# Altium PCB PCB SOM AM625.PcbDoc (part 1 of 6) (continued)
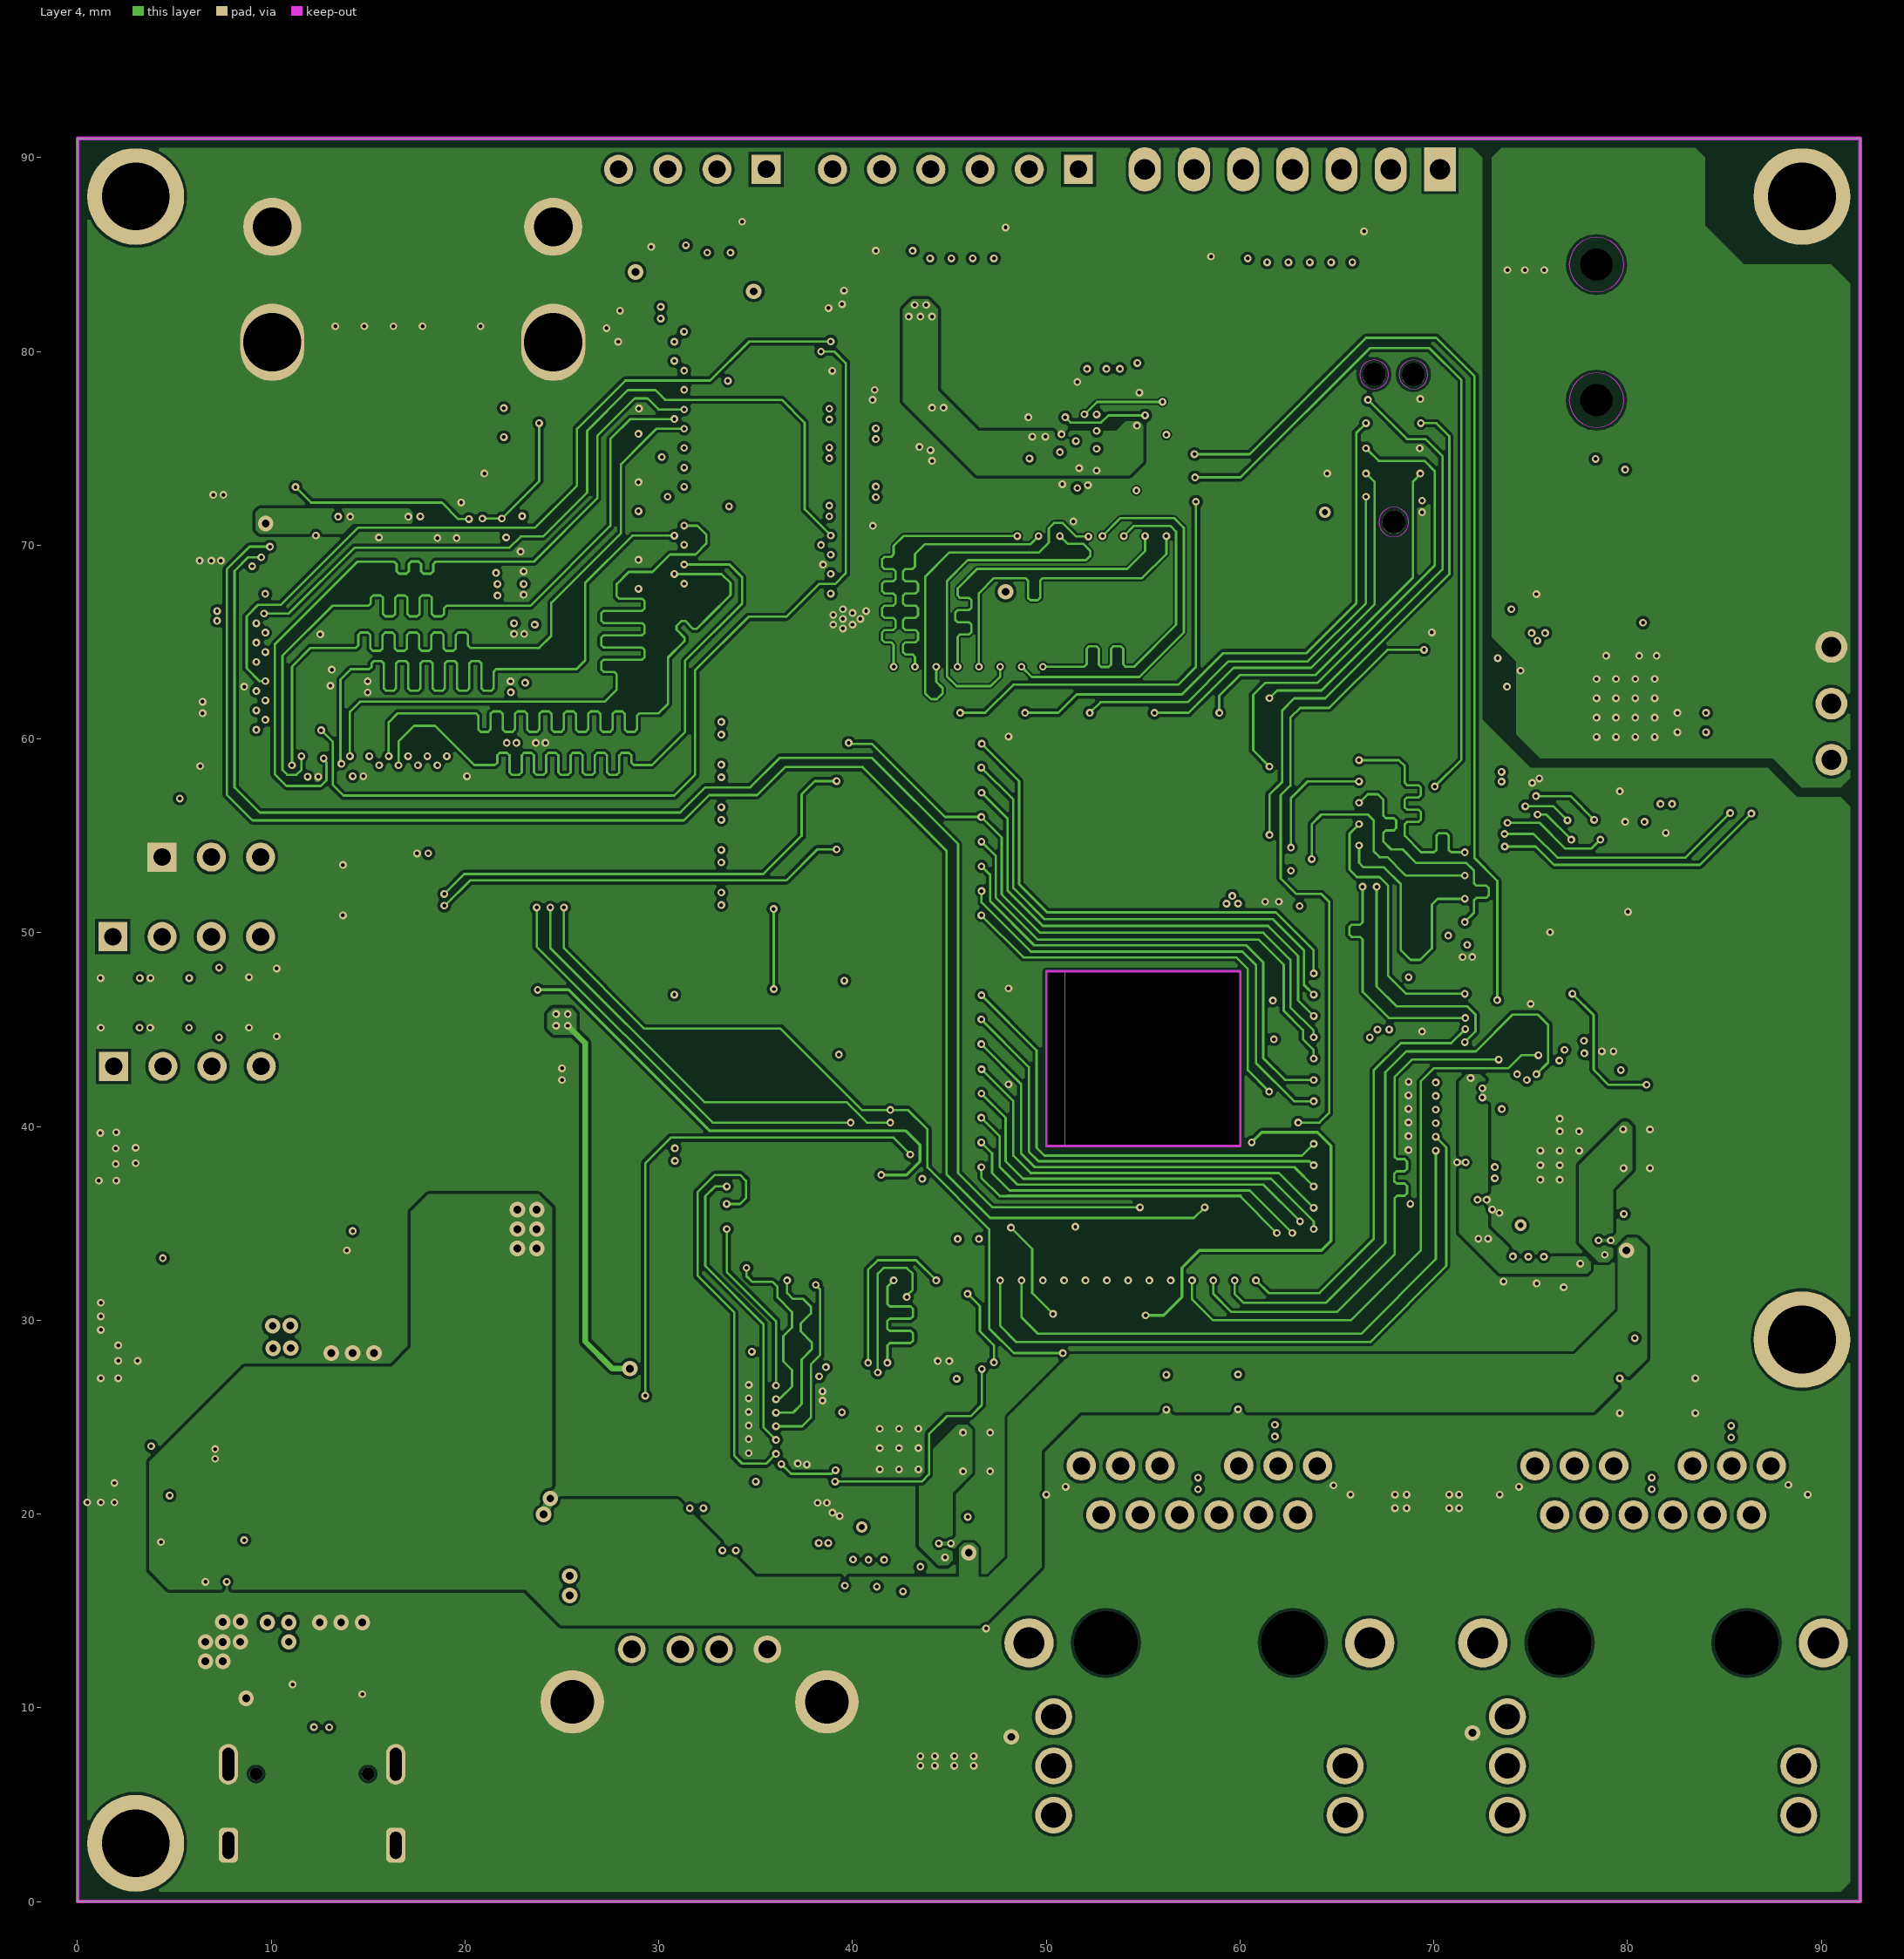
[diagram p4: Layer 4]
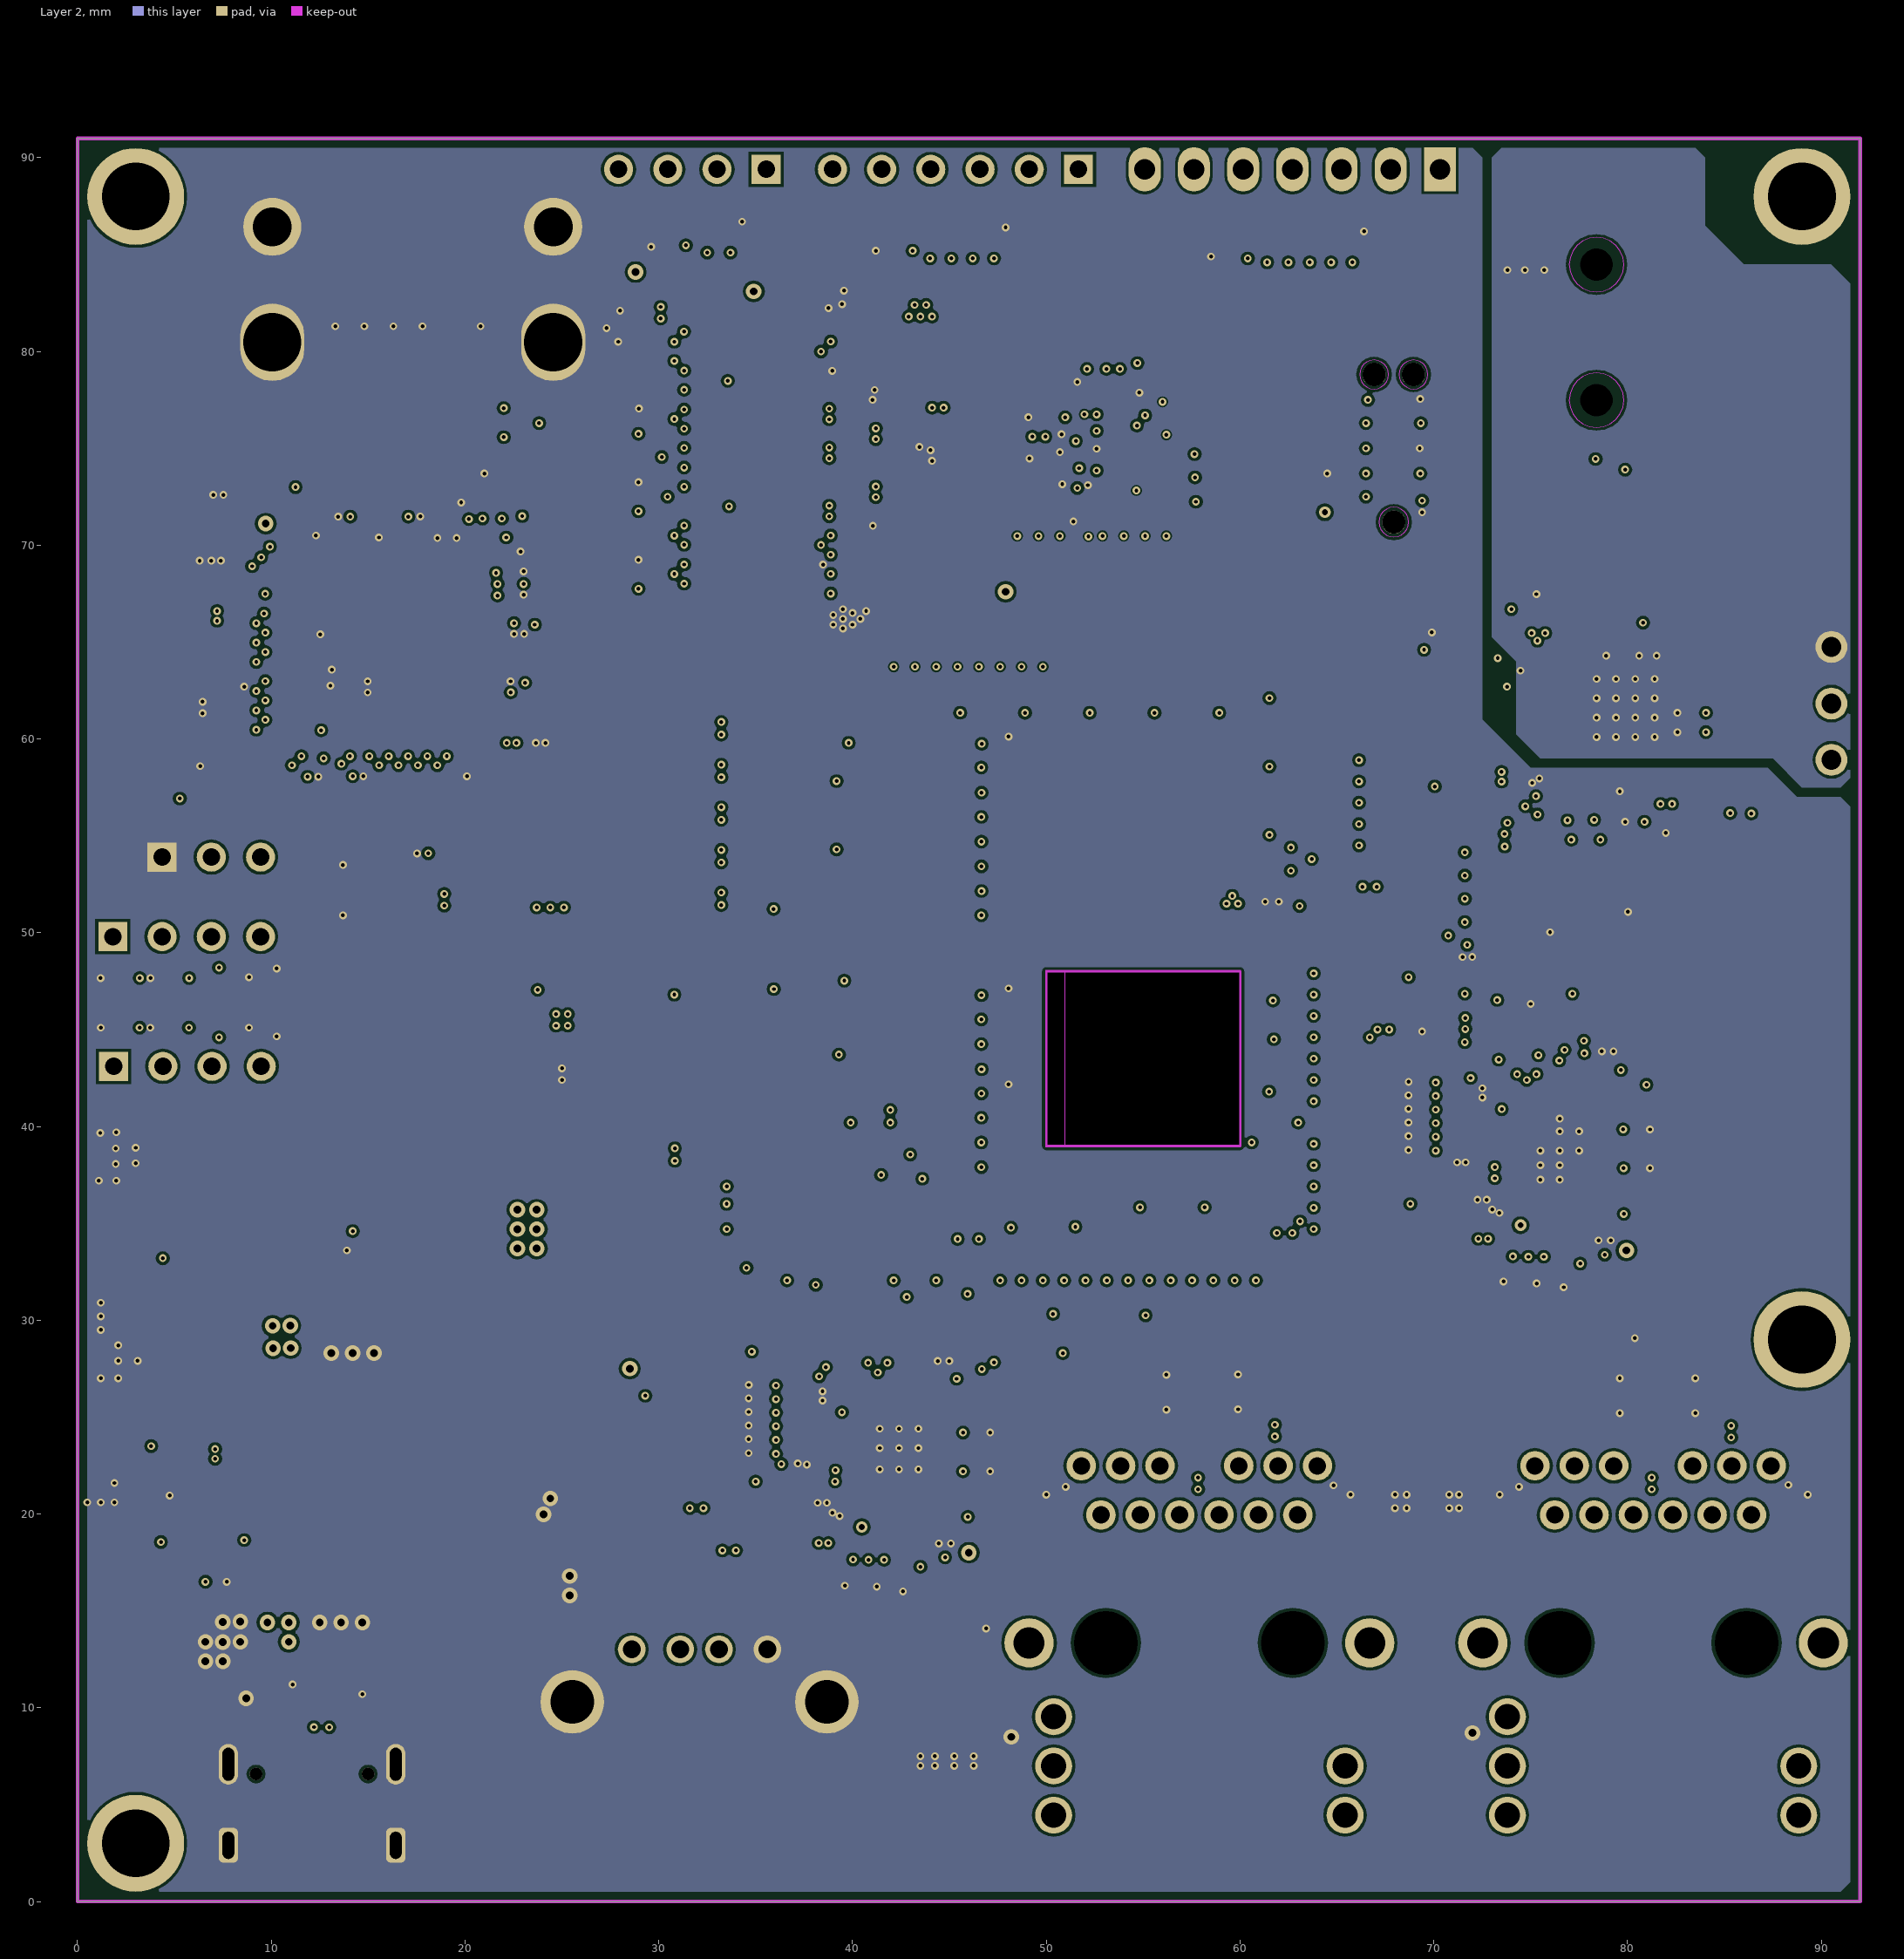
[diagram p5: Layer 2]

## Layer stack, top to bottom
Top Solder: solder mask 0.02, Solder Resist, Dk 3.5
Top Layer: signal copper 0.04
Dielectric 2: prepreg 0.071, PP-006, Dk 4.2
Layer 1: signal copper 0.03
Dielectric 4: prepreg 0.1, PP-006, Dk 4.2
Layer 3: signal copper 0.03
Dielectric 6: core 0.109, Core-009, Dk 4.5
Dielectric 1: dielectric 0.8, FR-4, Dk 4.8
Dielectric 7: core 0.109, Core-009, Dk 4.5
Layer 4: signal copper 0.03
Dielectric 5: prepreg 0.1, PP-006, Dk 4.2
Layer 2: signal copper 0.03
Dielectric 3: prepreg 0.071, PP-006, Dk 4.2
Bottom Layer: signal copper 0.04
Bottom Solder: solder mask 0.02, Solder Resist, Dk 3.5

## Board outline
0,0 0,91 92,91 92,0
cut-out: 49.95,39 ccw(c50,39) 50,38.95 60,38.95 ccw(c60,39) 60.05,39 60.05,48 ccw(c60,48) 60,48.05 50,48.05 ccw(c50,48) 49.95,48
cut-out: 50.95,39 ccw(c51,39) 51,38.95 60,38.95 ccw(c60,39) 60.05,39 60.05,48 ccw(c60,48) 60,48.05 51,48.05 ccw(c51,48) 50.95,48

## Design rules (kind name [scope] priority, off if disabled: settings)
Clearance Clearance_eMMC [InNetClass('eMMC')        or InNet('VDDI')] p1: gap=0.08 ignorepadtopadclearanceinfootprint=TRUE
Clearance [All] p2: gap=0.15 ignorepadtopadclearanceinfootprint=TRUE
DiffPairsRouting Diffpair_DIFF100DiffPairsRouting [InDifferentialPairClass('DIFF100')] p1: maxlimit=0.203 minlimit=0.17 mostfreqgap=0.203 toplayer_maxgap=0.17 toplayer_prefgap=0.17 toplayer_minwidth=0.084 toplayer_maxwidth=0.084 toplayer_prefwidth=0.084 midlayer1_mingap=0.203 midlayer1_minwidth=0.084 midlayer1_maxwidth=0.084 midlayer1_prefwidth=0.084 midlayer2_mingap=0.203 midlayer2_minwidth=0.084 midlayer2_maxwidth=0.084 midlayer2_prefwidth=0.084 midlayer3_minwidth=0.381 midlayer3_maxwidth=0.381 midlayer3_prefwidth=0.381 midlayer4_minwidth=0.381 midlayer4_maxwidth=0.381 midlayer4_prefwidth=0.381 bottomlayer_maxgap=0.17 bottomlayer_prefgap=0.17 bottomlayer_minwidth=0.084 bottomlayer_maxwidth=0.084 bottomlayer_prefwidth=0.084 maxuncoupledlength=12.7
DiffPairsRouting Diffpair_DIFF90DiffPairsRouting [InDifferentialPairClass('DIFF90')] p2: maxlimit=0.17 minlimit=0.117 mostfreqgap=0.17 toplayer_mingap=0.17 toplayer_minwidth=0.109 toplayer_maxwidth=0.109 toplayer_prefwidth=0.109 midlayer1_maxgap=0.117 midlayer1_prefgap=0.117 midlayer1_minwidth=0.086 midlayer1_maxwidth=0.086 midlayer1_prefwidth=0.086 midlayer2_maxgap=0.117 midlayer2_prefgap=0.117 midlayer2_minwidth=0.086 midlayer2_maxwidth=0.086 midlayer2_prefwidth=0.086 midlayer3_minwidth=0.381 midlayer3_maxwidth=0.381 midlayer3_prefwidth=0.381 midlayer4_minwidth=0.381 midlayer4_maxwidth=0.381 midlayer4_prefwidth=0.381 bottomlayer_mingap=0.17 bottomlayer_minwidth=0.109 bottomlayer_maxwidth=0.109 bottomlayer_prefwidth=0.109 maxuncoupledlength=12.7
DiffPairsRouting [All] p3: maxlimit=0.254 minlimit=0.254 mostfreqgap=0.254 toplayer_minwidth=0.381 toplayer_maxwidth=0.381 toplayer_prefwidth=0.381 midlayer1_minwidth=0.381 midlayer1_maxwidth=0.381 midlayer1_prefwidth=0.381 midlayer2_minwidth=0.381 midlayer2_maxwidth=0.381 midlayer2_prefwidth=0.381 midlayer3_minwidth=0.381 midlayer3_maxwidth=0.381 midlayer3_prefwidth=0.381 midlayer4_minwidth=0.381 midlayer4_maxwidth=0.381 midlayer4_prefwidth=0.381 bottomlayer_minwidth=0.381 bottomlayer_maxwidth=0.381 bottomlayer_prefwidth=0.381 maxuncoupledlength=12.7
Height [All] p1: minheight=0 maxheight=100 prefheight=12.7
HoleSize [All] p1: absolutevalues=TRUE maxlimit=5 minlimit=0.025 maxpercent=80.000 minpercent=20.000
HoleToHoleClearance [All] p1: gap=0.1 allowstackedmicrovias=TRUE
MinimumSolderMaskSliver [All] p1: minsoldermaskwidth=0
PlaneConnect [All] p1: planeconnectstyle=Direct reliefexpansion=0.508 reliefentries=4 reliefconductorwidth=0.254 reliefairgap=0.254
PolygonConnect [All] p1: connectstyle=Direct reliefconductorwidth=0.254 reliefentries=4 polygonreliefangle="90 Angle" airgapwidth=0.254
RoutingVias [All] p1: holewidth=0.2 width=0.4 viastyle="Through Hole" minholewidth=0.2 minwidth=0.4 maxholewidth=0.4 maxwidth=0.8
SilkToSilkClearance [All] p1: silktosilkclearance=0
SilkToSolderMaskClearance [IsPad] p1: minsilkscreentomaskgap=0 clearancetoexposedcopper=TRUE
SolderMaskExpansion [All] p1: expansion=0.102 istentingtop=FALSE
Width DiffPair_DIFF100Width [InNetClass('DIFF100')] p1: maxlimit=0.254 minlimit=0.084 preferedwidth=0.084 toplayer_maxwidth=0.084 midlayer1_maxwidth=0.084 midlayer2_maxwidth=0.084 midlayer3_minwidth=0.254 midlayer3_prefwidth=0.254 midlayer4_minwidth=0.254 midlayer4_prefwidth=0.254 bottomlayer_maxwidth=0.084 minimp=50.000000 maximp=50.000000 favimp=50.000000
Width DiffPair_DIFF90Width [InNetClass('DIFF90')] p2: maxlimit=0.254 minlimit=0.086 preferedwidth=0.254 toplayer_minwidth=0.109 toplayer_maxwidth=0.109 toplayer_prefwidth=0.109 midlayer1_maxwidth=0.086 midlayer1_prefwidth=0.086 midlayer2_maxwidth=0.086 midlayer2_prefwidth=0.086 midlayer3_minwidth=0.254 midlayer4_minwidth=0.254 bottomlayer_minwidth=0.109 bottomlayer_maxwidth=0.109 bottomlayer_prefwidth=0.109 minimp=50.000000 maximp=50.000000 favimp=50.000000
Width [All] p3: maxlimit=0.4 minlimit=0.08 preferedwidth=0.254 toplayer_prefwidth=0.15 midlayer1_minwidth=0.122 midlayer1_prefwidth=0.122 midlayer2_minwidth=0.122 midlayer2_prefwidth=0.122 midlayer3_minwidth=0.254 midlayer3_maxwidth=0.254 midlayer4_minwidth=0.254 midlayer4_maxwidth=0.254 bottomlayer_minwidth=0.107 bottomlayer_prefwidth=0.15 minimp=50.000000 maximp=50.000000 favimp=50.000000
22 further rules are at their usual default settings.

## Classes and differential pairs
net class eMMC: SOC_MMC0_CLK SOC_MMC0_CMD SOC_MMC0_DAT0 SOC_MMC0_DAT1 SOC_MMC0_DAT2 SOC_MMC0_DAT3 SOC_MMC0_DAT4 SOC_MMC0_DAT5 SOC_MMC0_DAT6 SOC_MMC0_DAT7
net class SD: MMC1_CLK MMC1_CMD MMC1_D0 MMC1_D1 MMC1_D2 MMC1_D3 MMC1_SDCD
net class OLDI0: OLDI0_A0_N OLDI0_A0_P OLDI0_A1_N OLDI0_A1_P OLDI0_A2_N OLDI0_A2_P OLDI0_A3_N OLDI0_A3_P OLDI0_CLK1_N OLDI0_CLK1_P
net class HDMI: HDMI_CEC HDMI_DSCL HDMI_DSDA HDMI_HPD HDMI_TX0_N HDMI_TX0_P HDMI_TX1_N HDMI_TX1_P HDMI_TX2_N HDMI_TX2_P HDMI_TXC_N HDMI_TXC_P TX0_N TX0_P TX1_N TX1_P TX2_N TX2_P TXC_N TXC_P
net class DIFF100: HDMI_TX0_N HDMI_TX0_P HDMI_TX1_N HDMI_TX1_P HDMI_TX2_N HDMI_TX2_P HDMI_TXC_N HDMI_TXC_P MDIO10_N MDIO10_P MDIO11_N MDIO11_P MDIO12_N MDIO12_P MDIO13_N MDIO13_P MDIO20_N MDIO20_P MDIO21_N MDIO21_P MDIO22_N MDIO22_P MDIO23_N MDIO23_P OLDI0_A0_N OLDI0_A0_P OLDI0_A1_N OLDI0_A1_P OLDI0_A2_N OLDI0_A2_P OLDI0_A3_N OLDI0_A3_P OLDI0_CLK1_N OLDI0_CLK1_P TX0_N TX0_P TX1_N TX1_P TX2_N TX2_P TXC_N TXC_P
net class USB1: USB1_N USB1_P
net class USB0: USB0_N USB0_P
net class DIFF90: USB0_N USB0_P USB1_N USB1_P USB_A_N USB_A_P USB_C_N USB_C_P
differential pair MDIO23: +MDIO23_P -MDIO23_N
differential pair MDIO22: +MDIO22_P -MDIO22_N
differential pair MDIO21: +MDIO21_P -MDIO21_N
differential pair MDIO20: +MDIO20_P -MDIO20_N
differential pair MDIO13: +MDIO13_P -MDIO13_N
differential pair MDIO12: +MDIO12_P -MDIO12_N
differential pair MDIO11: +MDIO11_P -MDIO11_N
differential pair MDIO10: +MDIO10_P -MDIO10_N
differential pair OLDI0_A3: +OLDI0_A3_P -OLDI0_A3_N
differential pair OLDI0_A2: +OLDI0_A2_P -OLDI0_A2_N
differential pair OLDI0_CLK1: +OLDI0_CLK1_P -OLDI0_CLK1_N
differential pair OLDI0_A1: +OLDI0_A1_P -OLDI0_A1_N
differential pair OLDI0_A0: +OLDI0_A0_P -OLDI0_A0_N
differential pair USB_C: +USB_C_P -USB_C_N
differential pair USB_A: +USB_A_P -USB_A_N
differential pair USB1: +USB1_P -USB1_N
differential pair USB0: +USB0_P -USB0_N
differential pair TXC: +TXC_P -TXC_N
differential pair TX2: +TX2_P -TX2_N
differential pair TX1: +TX1_P -TX1_N
differential pair TX0: +TX0_P -TX0_N
differential pair HDMI_TXC: +HDMI_TXC_P -HDMI_TXC_N
differential pair HDMI_TX2: +HDMI_TX2_P -HDMI_TX2_N
differential pair HDMI_TX1: +HDMI_TX1_P -HDMI_TX1_N
differential pair HDMI_TX0: +HDMI_TX0_P -HDMI_TX0_N

## Components (designator, comment, footprint, x,y, rotation, side; value= is the part's Value field where it differs from the comment)
C101 "1uF" C0603 5.4,21.7 r270 top
C102 "10uF" C1206B/3216MM 11.825,26.85 r0 top
C103 "1uF" C0603 10.725,24.6 r0 top
C104 "10uF" C1206B/3216MM 11.7,15.9 r0 top
C105 "1uF" C0603 10.6,18.2 r0 top
C106 "47uF" C1206B/3216MM 20.1,27.9 r0 top
C107 "47uF" C1206B/3216MM 20.1,30.8 r0 top
C108 "47uF" C1206B/3216MM 20.1,33.6 r0 top
C109 "100nF" C0603 20.6,35.65 r0 top
C110 "100nF" C0603 7.6,24.7 r0 top
C111 "36pF" C0402 5.5,17.5 r90 top
C112 "10uF" C0603 19.35,42.45 r0 top
C113 "120pF" C0402 21.7,38.85 r0 top
C114 "22uF" C0805 21.8,43.65 r90 top
C115 "22uF" C0805 24,43.65 r90 top
C116 "1uF" C0402 5.825,59.075 r0 top
C117 "1uF" C0402 4.075,62.375 r270 top
C201 "100nF" C0201 52.6,74.35 r90 bottom
C202 "100nF" C0201 51.325,73.975 r180 bottom
C203 "100nF" C0201 49.593,74.981 r270 bottom
C204 "100nF" C0201 50.5,75.625 r0 bottom
C205 "4.7uF" C0402 48.9,74.9 r270 bottom
C206 "100nF" C0201 52.425,78.4 r270 bottom
C207 "100nF" C0201 53.1,78.4 r270 bottom
C208 "100nF" C0201 53.44,77.35 r0 bottom
C209 "100nF" C0201 53.85,78.4 r270 bottom
C210 "100nF" C0201 51.325,73.3 r180 bottom
C211 "4.7uF" C0402 54.8,78.375 r270 bottom
C212 "100nF" C0201 53.55,72.825 r180 bottom
C213 "22uF" C0805 61.7,49.8 r90 bottom
C214 "22uF" C0805 68.4,49 r270 bottom
C215 "4.7uF" C0402 70.5,48.4 r90 bottom
C216 "100nF" C0201 71.4,48.1 r90 bottom
C217 "100nF" C0201 72,48.1 r90 bottom
C301 "4.7uF" C0402 29.1,82.4 r180 top
C302 "100nF" C0603 29.6,76.5 r90 top
C303 "100nF" C0603 29.6,68.5 r90 top
C304 "100nF" C0603 29.6,72.5 r90 top
C305 "100nF" C0603 28.7,81.2 r180 top
C306 "10nF" C0402 29.1,80 r180 top
C307 "100nF" C0603 43.45,73.606 r90 top
C308 "10nF" C0402 42.05,73.706 r90 top
C309 "100nF" C0603 38.1,83.1 r0 top
C310 "10nF" C0402 37.7,82 r0 top
C311 "10uF" C0603 6.31,67.791 r90 top
C312 "100nF" C0201 22.4,68.7 r0 top
C313 "100nF" C0201 22.15,65.7 r270 top
C314 "100nF" C0201 22,62.7 r90 top
C315 "100nF" C0201 14.475,58.425 r0 top
C316 "100nF" C0201 8.725,63.35 r270 top
C317 "100nF" C0201 8.955,67.255 r90 top
C318 "10uF" C0603 6.31,71.816 r90 top
C319 "10uF" C0603 8.835,71.841 r90 top
C320 "100nF" C0201 17.325,71.125 r0 top
C321 "100nF" C0201 13.8,71.125 r180 top
C322 "10uF" C0603 23.175,60.45 r0 top
C323 "10uF" C0603 23.2,63.8 r0 top
C324 "100nF" C0201 12.175,58.425 r0 top
C325 "100nF" C0201 9.01,68.3 r270 top
C326 "100nF" C0201 22.4,64.9 r0 top
C327 "100nF" C0201 22.4,67.3 r0 top
C501 "4.7uF" C0402 37.72,21.105 r270 bottom
C502 "100nF" C0201 38.495,21.43 r270 bottom
C503 "1uF" C0201 39.095,25.605 r180 bottom
C504 "100nF" C0201 39.095,26.28 r180 bottom
C505 "4.7uF" C0402 37.995,23.23 r180 bottom
C506 "100nF" C0201 38.22,22.43 r180 bottom
C507 "1uF" C0201 45.245,19.127 r270 top
C508 "100nF" C0201 44.995,27.24 r90 top
C509 "1uF" C0201 43.823,19.405 r0 top
C510 "100nF" C0201 46.395,22.205 r0 top
C511 "100nF" C0201 46.395,24.205 r0 top
C512 "100nF" C0201 43.823,18.805 r0 top
C513 "100nF" C0201 44.395,27.24 r270 top
C514 "4.7uF" C0402 38.495,19.505 r270 top
C515 "100nF" C0201 39.22,19.27 r90 top
C516 "100nF" C0402 50,22 r270 bottom
C517 "100nF" C0402 51,20.4 r90 bottom
C518 "100nF" C0402 64.825,20.475 r90 bottom
C519 "100nF" C0402 65.7,22 r270 bottom
C520 "100nF" C0402 48.195,7.505 r90 bottom
C521 "22pF" C0201 41.97,14.355 r90 top
C522 "22pF" C0201 46.545,14.355 r270 top
C523 "1nF" C1206B/3216MM 46.395,10.005 r90 top
C601 "4.7uF" C0402 71.775,36.75 r270 bottom
C602 "100nF" C0201 72.5,37.075 r270 bottom
C603 "1uF" C0201 73.15,41.25 r180 bottom
C604 "100nF" C0201 73.15,41.925 r180 bottom
C605 "4.7uF" C0402 71.95,38.725 r180 bottom
C606 "100nF" C0201 72.275,38 r180 bottom
C607 "1uF" C0201 79.3,34.772 r270 top
C608 "100nF" C0201 79.275,43.175 r90 top
C609 "1uF" C0201 77.875,35.05 r0 top
C610 "100nF" C0201 80.45,37.875 r0 top
C611 "100nF" C0201 80.45,39.85 r0 top
C612 "100nF" C0201 77.878,34.475 r0 top
C613 "100nF" C0201 78.675,43.175 r270 top
C614 "4.7uF" C0402 72.55,35.15 r270 top
C615 "100nF" C0201 73.275,34.915 r90 top
C616 "100nF" C0402 73.4,22 r270 bottom
C617 "100nF" C0402 74.4,20.4 r90 bottom
C618 "100nF" C0402 88.3,20.5 r90 bottom
C619 "100nF" C0402 89.3,22 r270 bottom
C620 "100nF" C0402 72,7.5 r90 bottom
C621 "22pF" C0201 76,30 r90 top
C622 "22pF" C0201 80.6,30 r270 top
C623 "1nF" C1206B/3216MM 70.975,17.85 r270 top
C701 "10uF" C0603 9.1,12.5 r180 top
C702 "100nF" C0201 9.3,13.6 r180 top
C703 "10uF" C0603 24.9,19.2 r90 top
C704 "100uF" C1206B/3216MM 28.1,16.3 r180 top
C705 "100nF" C0201 25.2,21.6 r180 top
C801 "10uF" C0402 80.375,56.2 r180 top
C802 "0.1uF" C0201 80.375,56.9 r180 top
C803 "10uF" C0402 74.6,58.3 r270 top
C804 "0.1uF" C0201 75.3,58.6 r270 top
C805 "10uF" C0402 75.275,66.525 r90 top
C806 "10uF" C0402 81.525,65.4 r270 bottom
C807 "0.1uF" C0201 76.05,66.2 r90 top
C808 "0.1uF" C0201 80.55,65.075 r270 bottom
C809 "10uF" C0402 74.475,64.475 r270 top
C810 "0.1uF" C0201 75.325,64.125 r270 top
C811 "0.1uF" C0402 85.75,59.625 r0 top
C812 "0.1uF" C0402 85.75,61.075 r0 top
C813 "0.1uF" C0201 83.375,60.35 r180 bottom
C814 "0.1uF" C0201 83.375,61.35 r180 bottom
C815 "47uF" C1206B/3216MM 81.237,70.313 r90 top
C816 "47uF" C1206B/3216MM 78.037,70.313 r90 top
C817 "0.47uF" C0402 84.1,66.5 r180 top
C818 "0.1uF" C0201 76.25,49.65 r0 top
C819 "0.1uF" C0402 73.3,63.2 r270 top
C901 "100nF" C0201 70.1,72.3 r0 bottom
C902 "100nF" C0201 8.235,47.7 r0 top
C903 "100nF" C0201 8.235,45.1 r0 top
C904 "100nF" C0201 17.8,53.7 r180 top
C905 "100nF" C0201 30.5,86.1 r90 top
C906 "100nF" C0201 42.1,85.8 r90 top
C907 "100nF" C0201 59.4,85.535 r90 top
D201 "RB520S30T1G" SOD_523 56.05,73.5 r0 bottom
D202 "RB520S30T1G" SOD_523 56.05,72.25 r0 bottom
D203 "RB520S30T1G" SOD_523 56.05,74.7 r0 bottom
D204 "RB520S30T1G" SOD_523 63.9,54.4 r180 bottom
D205 "RB520S30T1G" SOD_523 63.9,53.2 r180 bottom
D206 "TPD1E1B04DPYR" DIO_TPD1E05U06DPYR 70.575,54.15 r0 bottom
D207 "TPD1E1B04DPYR" DIO_TPD1E05U06DPYR 70.575,44.35 r0 bottom
D208 "TPD1E1B04DPYR" DIO_TPD1E05U06DPYR 70.6,45.6 r0 bottom
D209 "TPD1E1B04DPYR" DIO_TPD1E05U06DPYR 70.575,46.85 r0 bottom
D210 "TPD1E1B04DPYR" DIO_TPD1E05U06DPYR 70.575,50.55 r0 bottom
D211 "TPD1E1B04DPYR" DIO_TPD1E05U06DPYR 70.575,51.75 r0 bottom
D212 "TPD1E1B04DPYR" DIO_TPD1E05U06DPYR 70.575,52.95 r0 bottom
D301 "RB520S30T1G" SOD_523 23.85,71.625 r90 top
D302 "TPD4E05U06DQAR" 10-USON 21.01,74.616 r90 top
D303 "RB520S30T1G" SOD_523 23.136,53.17 r270 top
D304 "RB520S30T1G" SOD_523 24.336,53.17 r270 top
D305 "RB520S30T1G" SOD_523 25.536,53.17 r270 top
D501 "TPD4E05U06DQAR" 10-USON 56.2,26.283 r270 top
D502 "TPD4E05U06DQAR" 10-USON 59.9,26.3 r90 top
D503 "RB520S30T1G" sod_523 49.55,29.9 r0 top
D504 "RB520S30T1G" sod_523 49.545,27.53 r0 top
D505 "RB520S30T1G" sod_523 49.55,28.725 r0 top
D601 "TPD4E05U06DQAR" 10-USON 79.6,26.1 r270 top
D602 "TPD4E05U06DQAR" 10-USON 83.5,26.1 r90 top
D603 "RB520S30T1G" sod_523 74.625,45.725 r180 top
D604 "RB520S30T1G" sod_523 74.625,46.925 r180 top
D605 "RB520S30T1G" sod_523 74.625,44.5 r180 top
D701 "TPD1E1B04DPYR" DIO_TPD1E05U06DPYR 13.15,10.2 r270 top
D702 "TPD1E1B04DPYR" DIO_TPD1E05U06DPYR 12.05,10.2 r270 top
D901 "TPD1E1B04DPYR" DIO_TPD1E05U06DPYR 2.2,47.66 r0 bottom
D902 "TPD1E1B04DPYR" DIO_TPD1E05U06DPYR 4.75,47.66 r0 bottom
D903 "TPD1E1B04DPYR" DIO_TPD1E05U06DPYR 2.2,45.1 r0 bottom
D904 "TPD1E1B04DPYR" DIO_TPD1E05U06DPYR 4.75,45.1 r0 bottom
D905 "RB520S30T1G" SOD_523 16.6,49.4 r180 top
D906 "TPD1E1B04DPYR" DIO_TPD1E05U06DPYR 13.2,51.4 r180 top
D907 "TPD1E1B04DPYR" DIO_TPD1E05U06DPYR 13.2,53 r180 top
D908 "TPD1E1B04DPYR" DIO_TPD1E05U06DPYR 33.7,86.2 r270 bottom
D909 "TPD1E1B04DPYR" DIO_TPD1E05U06DPYR 32.5,86.2 r270 bottom
D910 "TPD1E1B04DPYR" DIO_TPD1E05U06DPYR 47.3,85.9 r270 bottom
D911 "TPD1E1B04DPYR" DIO_TPD1E05U06DPYR 46.2,85.9 r270 bottom
D912 "TPD1E1B04DPYR" DIO_TPD1E05U06DPYR 45.1,85.9 r270 bottom
D913 "TPD1E1B04DPYR" DIO_TPD1E05U06DPYR 44,85.9 r270 bottom
D914 "TPD1E1B04DPYR" DIO_TPD1E05U06DPYR 65.8,85.7 r270 bottom
D915 "TPD1E1B04DPYR" DIO_TPD1E05U06DPYR 64.7,85.7 r270 bottom
D916 "TPD1E1B04DPYR" DIO_TPD1E05U06DPYR 63.6,85.7 r270 bottom
D917 "TPD1E1B04DPYR" DIO_TPD1E05U06DPYR 62.5,85.7 r270 bottom
D918 "TPD1E1B04DPYR" DIO_TPD1E05U06DPYR 61.4,85.7 r270 bottom
F301 "MF-FSMF010X-2" f0603 23.836,74.766 r90 top
FB101 "120R" FB0402 5.275,57.775 r90 top
FB301 "120R" FB0402 29.2,83.4 r0 top
FB302 "120R" FB0402 44.4,76.3 r270 top
FB303 "120R" FB0402 35.9,83.1 r0 top
FB304 "120R" FB0402 7.61,67.291 r270 top
FB305 "120R" FB0402 7.61,71.416 r90 top
FB306 "120R" FB0402 23.1,62.1 r270 top
FB501 "120R" FB0402 36.77,21.255 r90 bottom
FB502 "120R" FB0402 43.895,17.755 r180 top
FB503 "120R" FB0402 39.02,27.08 r0 bottom
FB504 "120R" FB0402 45.945,18.98 r270 top
FB601 "120R" FB0402 70.825,36.9 r90 bottom
FB602 "120R" FB0402 77.95,33.375 r180 top
FB603 "120R" FB0402 73.075,42.725 r0 bottom
FB604 "120R" FB0402 80,34.625 r270 top
FB801 "120R" FB0402 74.25,62 r180 bottom
FB901 "120R" FB0402 2.2,47.66 r0 top
FB902 "120R" FB0402 4.75,47.66 r0 top
FB903 "120R" FB0402 6.9,47.7 r0 top
FB904 "120R" FB0402 9.875,47.7 r0 top
FB905 "120R" FB0402 2.2,45.1 r0 top
FB906 "120R" FB0402 4.75,45.1 r0 top
FB907 "120R" FB0402 6.9,45.1 r0 top
FB908 "120R" FB0402 9.875,45.1 r0 top
FB909 "120R" FB0402 33.7,86.2 r270 top
FB910 "120R" FB0402 32.5,86.2 r270 top